# Altium PCB TAUV-Interfacer (DESKTOP-2772EO1's conflicted copy 2019-07-07).PcbDoc (part 2 of 3) (continued)
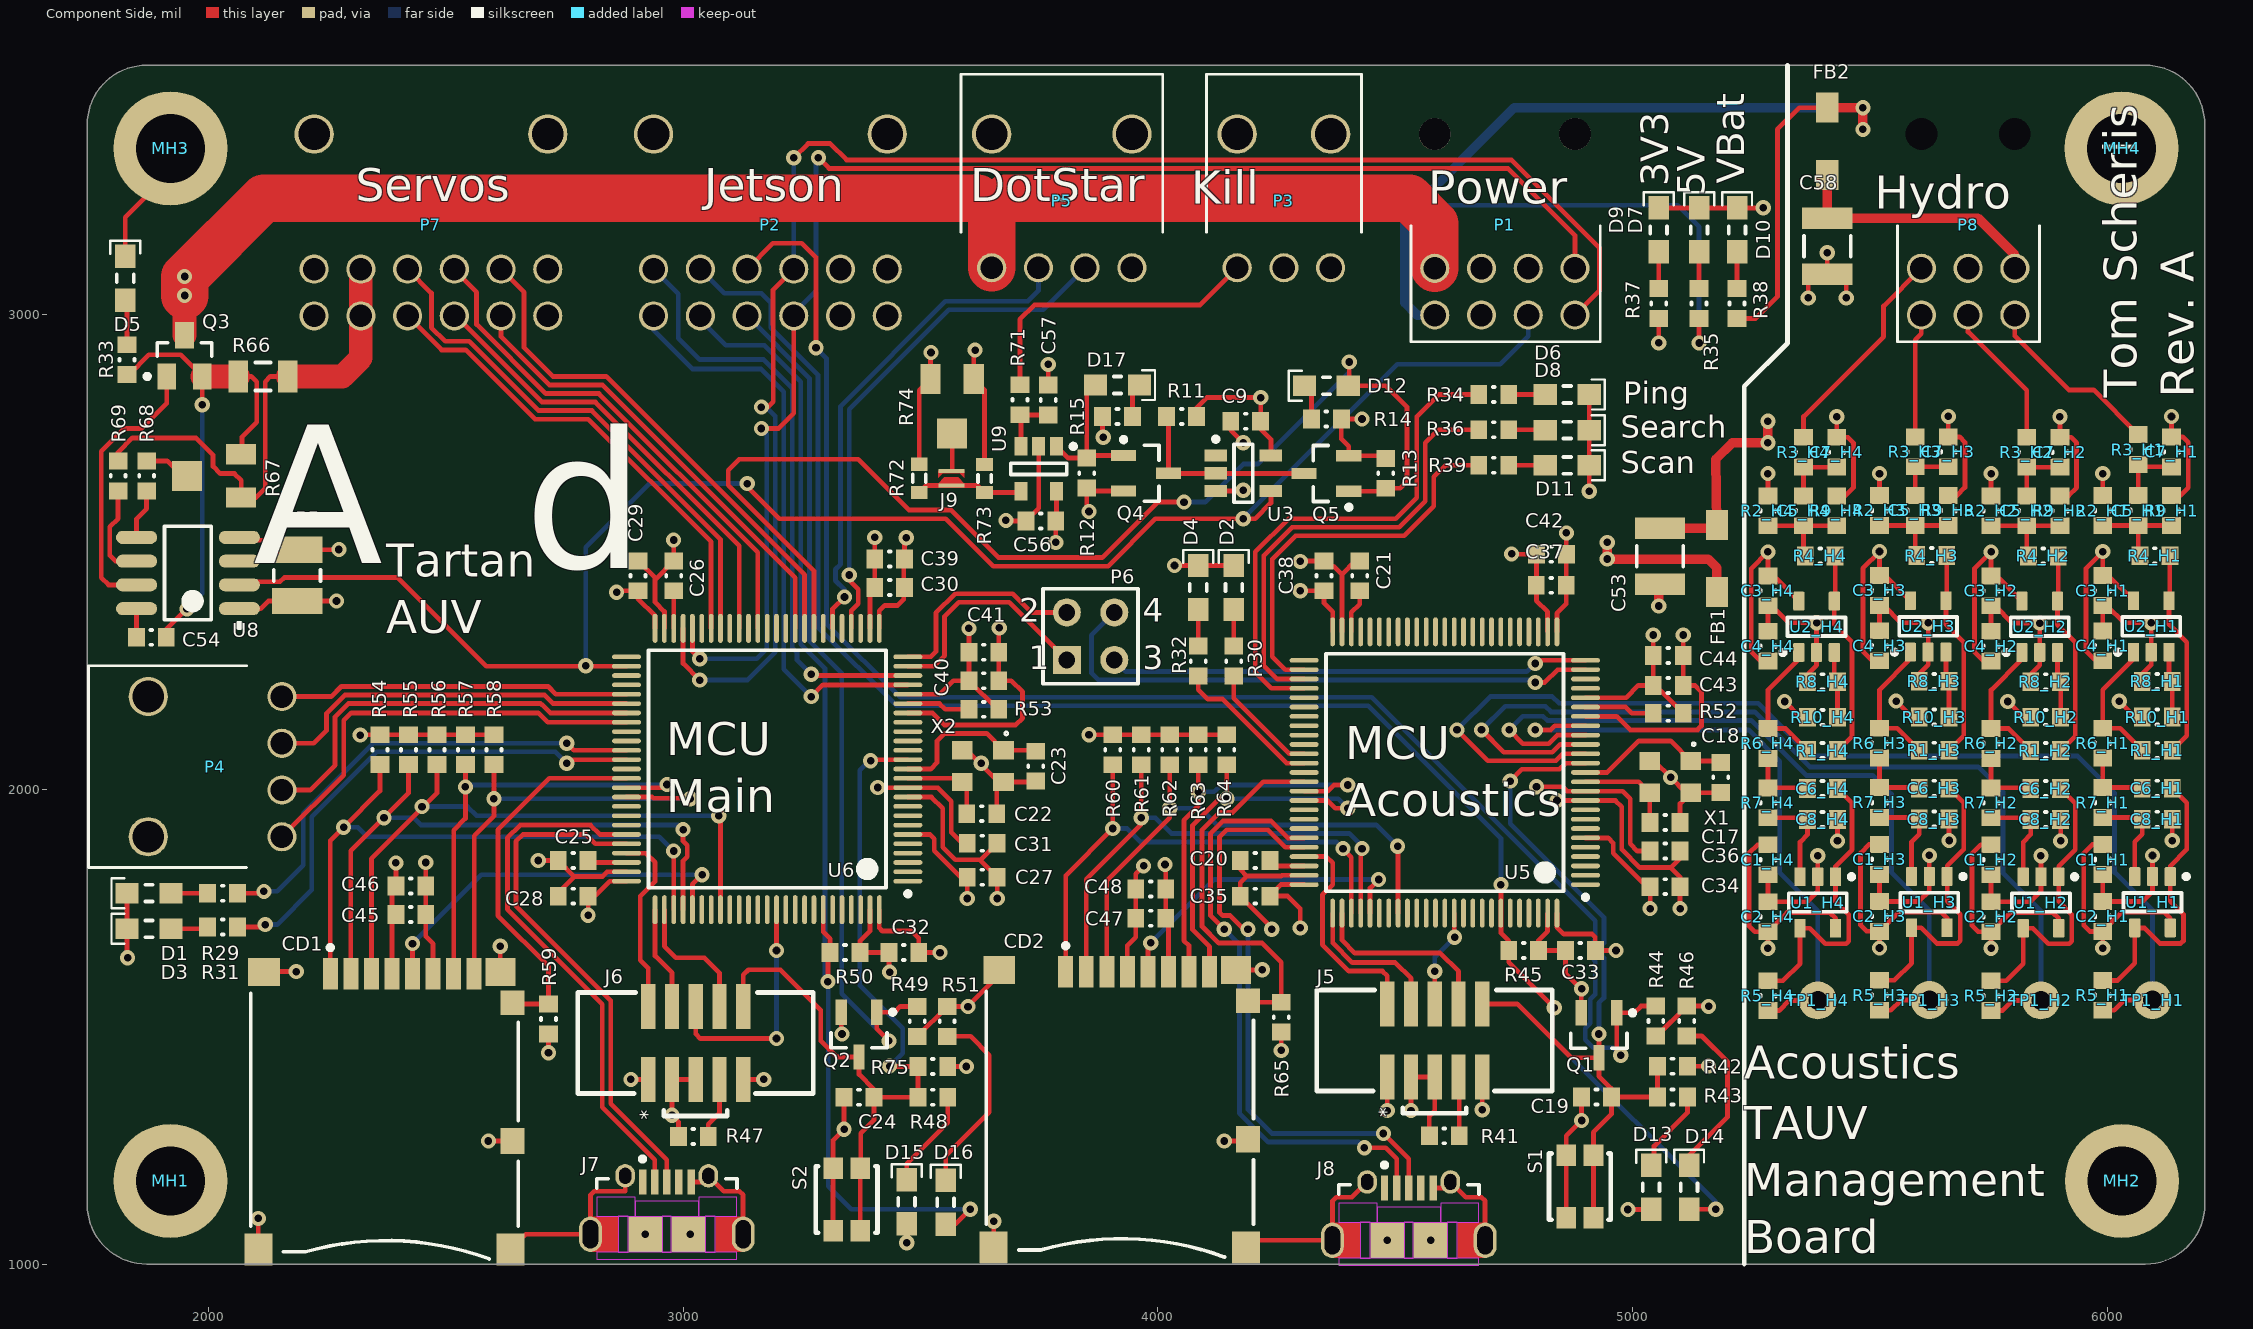
[diagram p0: Component Side view]
## Nets (pads, with @x,y where several pads share a name; then routed paths per layer and width w, separated by ;. In a path a pad name is that pad's centre, name@x,y a point inside that pad or via, vN(x,y) a via of type N, cw(c..) or ccw(c..) an arc to the next point about the centre after c; other vN are vias at no path point) (continued)
  Solder Side w10: v1(3196.81,1475) v1(3196.81,1660.49)
MCU1_TMS: J6.2 U6.72 | length 391.4
  Component Side w10: U6.72@2880.87,1865.53 2921.22,1865.53 2940.91,1845.85 2940.91,1805.91 2910,1775 2910,1640 2926.65,1623.35 J6.2@2926.65,1542.38
MCU1_UART4_RX: P2.7 U6.23 | length 1274.4
  Component Side w10: v1(3270,2242.27) 3272.73,2239.55 U6.23@3473.39,2239.55
  Solder Side w10: P2.7@2937.87,3095.55 2990,3043.43 2990,2950 3035,2905 3170,2905 3230,2845 3230,2297.83 3240,2287.83 3240,2272.27 v1(3270,2242.27)
MCU1_UART4_TX: P2.1 U6.22 | length 1237.7
  Component Side w10: v1(3270,2195.28) 3294.59,2219.86 U6.22@3473.39,2219.86
  Solder Side w10: P2.1@2937.87,2997.13 2937.87,2967.13 3020,2885 3164.54,2885 3212,2837.54 3212,2253.28 v1(3270,2195.28)
MCU1_USART2_RX: P6.2 U6.25 | length 436.4
  Component Side w10: U6.25@3473.39,2278.92 3522.05,2278.92 3532.65,2289.52 3532.65,2371.81 3572.94,2412.09 3694.11,2412.09 3733.68,2372.52 P6.2@3790,2372.52
MCU1_USART2_TX: P6.1 U6.24 | length 489.4
  Component Side w10: U6.24@3473.39,2259.23 3528.13,2259.23 3550.65,2281.75 3550.65,2364.35 3580.39,2394.09 3686.65,2394.09 P6.1@3808.23,2272.52
MCU1_USB_DM: J7.2 U6.70 | length 1123.3
  Component Side w10: U6.70@2880.87,1904.9 2824.47,1904.9 2804.78,1924.59 2656.97,1924.59 2630,1897.62 2630,1747.07 2829.6,1547.47 2829.6,1330.4 2940.14,1219.86 J7.2@2940.14,1173.01
MCU1_USB_DP: J7.3 U6.71 | length 1096
  Component Side w10: U6.71@2880.87,1885.22 2814.78,1885.22 2795,1905 2662.84,1905 2648,1890.16 2648,1754.52 2847.6,1554.92 2847.6,1337.86 2965.73,1219.73 J7.3@2965.73,1173.01
MCU2_BOOT: D14.2 P2.8 R45.1 U5.94 | length 3553.2
  Component Side w10: v1(4722.48,1799.19) U5.94@4722.48,1739.15 4722.48,1697.52 4738.94,1681.06 R45.1@4738.94,1660.49 4738.94,1636.06 v1(4835,1540) ; D14.2@5118.94,1115.59 v1(5175,1115.59)
  Solder Side w10: P2.8@3036.3,3095.55 3086.85,3045 3165,3045 3185,3025 3185,2972.31 3284,2873.31 3284,2341.66 3449.67,2175.99 4443.1,2175.99 4722.48,1896.61 v1(4722.48,1799.19) ; v1(4835,1540) 4830.72,1535.72 4830.72,1475 5175,1130.72 v1(5175,1115.59)
MCU2_IND1: R30.1 U5.61 | length 243.4
  Component Side w10: R30.1@4160,2238.5 4160,2191.64 4276.86,2074.78 U5.61@4308.11,2074.78
MCU2_IND2: R32.1 U5.62 | length 315.8
  Component Side w10: R32.1@4085,2238.5 4085,2210 4105,2190 4136.19,2190 4271.09,2055.1 U5.62@4308.11,2055.1
MCU2_NRST: C19.2 J5.10 Q1.3 R42.1 R43.2 S1.1 U5.14 | length 1664.4
  Component Side w10: J5.10@4683.23,1547.8 4757.2,1547.8 4870.39,1434.61 Q1.3@4928.94,1434.61 ; v1(4742.17,2017.26) 4766.9,2042 4845.83,2042 4858.93,2055.1 U5.14@4900.63,2055.1 ; S1.1@4917.48,1097.17 S1.1@4917.48,1229.05 4917.48,1277.48 4955.43,1315.43 C19.2@4955.43,1351.85 ; v1(4928.94,1484.63) Q1.3@4928.94,1434.61 ; R42.1@5052.44,1416.85 R43.2@5052.44,1351.85 C19.2@4955.43,1351.85 ; Q1.3@4928.94,1434.61 4928.94,1396.06 4955.43,1369.57 C19.2@4955.43,1351.85
  Solder Side w10: v1(4742.17,2017.26) 4742.17,1927.83 4939.44,1730.56 4939.44,1675.95 4936,1672.5 4936,1648.48 4939.44,1645.04 4939.44,1560.53 4928.94,1550.03 v1(4928.94,1484.63)
MCU2_OSC_IN: C17.2 U5.12 X1.3 | length 207.9
  Component Side w10: U5.12@4900.63,2015.73 5012.91,2015.73 X1.3@5036.02,1992.62 5036.02,1930.86 C17.2@5036.89,1930
MCU2_OSC_OUT: C18.2 U5.13 X1.1 | length 331.3
  Component Side w10: U5.13@4900.63,2035.41 4946.65,2035.41 5012.99,2101.75 5080.43,2101.75 X1.1@5122.64,2059.55 5182.62,2059.55 C18.2@5185.67,2056.5
MCU2_SD_CK: CD2.5 U5.80 | length 676.8
  Component Side w10: CD2.5@3979.06,1615.75 3979.06,1670.45 v1(3985,1676.39) ; U5.80@4446.89,1739.15 4446.89,1791.89 v1(4465,1810)
  Solder Side w10: v1(3985,1676.39) 4118.61,1810 v1(4465,1810)
MCU2_SD_CMD: CD2.3 R62.1 U5.83 | length 1145.2
  Component Side w10: CD2.3@3892.44,1615.75 3892.44,1807.44 4025,1940 v1(4025,1960) R62.1@4025,2051.69 ; v1(4505,1880) 4505.94,1879.06 U5.83@4505.94,1739.15
  Solder Side w10: v1(4025,1960) 4089.27,1960 4124.27,1925 4460,1925 v1(4505,1880)
MCU2_SD_D0: CD2.7 R63.1 U5.65 | length 870.8
  Component Side w10: CD2.7@4065.67,1615.75 4065.67,1670.73 4055,1681.39 4055,1935 4085,1965 v1(4085,1995) R63.1@4085,2051.69 ; U5.65@4308.11,1996.04 4357.62,1996.04 4370.57,2009 v1(4400,2009)
  Solder Side w10: v1(4085,1995) 4118.99,1995 4132.99,2009 v1(4400,2009)
MCU2_SD_D1: CD2.8 R64.1 U5.66 | length 851.8
  Component Side w10: CD2.8@4108.98,1615.75 4108.98,1668.36 4073,1704.34 4073,1923.75 4129.25,1980 v1(4145,1980) R64.1@4145,2051.69 ; U5.66@4308.11,1976.36 4357.58,1976.36 4373.94,1960 v1(4400,1960)
  Solder Side w10: v1(4145,1980) 4380,1980 v1(4400,1960)
MCU2_SD_D2: CD2.1 R60.1 U5.78 | length 1122.7
  Component Side w10: CD2.1@3805.83,1615.75 3805.83,1818.29 v1(3905,1917.46) R60.1@3905,2051.69 ; v1(4390,1875) 4390,1873.99 4407.52,1856.47 U5.78@4407.52,1739.15
  Solder Side w10: v1(3905,1917.46) 3934.81,1917.46 3963.28,1889 4376,1889 v1(4390,1875)
MCU2_SD_D3: CD2.2 R61.1 U5.79 | length 1115.8
  Component Side w10: CD2.2@3849.13,1615.75 3849.13,1810.63 3965,1926.5 v1(3965,1940) R61.1@3965,2051.69 ; U5.79@4427.2,1739.15 4427.2,1872.2 v1(4430,1875)
  Solder Side w10: v1(3965,1940) 3995,1940 4028,1907 4403,1907 4430,1880 v1(4430,1875)
MCU2_SD_DETECT: CD2.9 R65.1 U5.64 | length 814.4
  Component Side w10: CD2.9@4189.88,1554.33 4192.72,1551.5 R65.1@4260,1551.5 4260,1635.49 4219.49,1676 4127.99,1676 4093,1710.99 4093,1914.95 4129.05,1951 4157.01,1951 4221.74,2015.73 U5.64@4308.11,2015.73
MCU2_TCK: J5.4 U5.76 | length 312.7
  Component Side w10: U5.76@4368.15,1739.15 4368.15,1676.39 4409.54,1635 4500,1635 4533.23,1601.77 J5.4@4533.23,1547.8
MCU2_TDI: J5.8 U5.77 | length 398.4
  Component Side w10: U5.77@4387.83,1739.15 4387.83,1682.17 4415,1655 4595,1655 4633.23,1616.77 J5.8@4633.23,1547.8
MCU2_TDO: J5.6 U5.89 | length 209.1
  Component Side w10: J5.6@4583.23,1547.8 v1(4583.23,1616.77) ; U5.89@4624.06,1739.15 4624.06,1689.45 v1(4625,1688.5)
  Solder Side w10: v1(4583.23,1616.77) 4583.23,1646.73 v1(4625,1688.5)
MCU2_TMS: J5.2 U5.72 | length 469.7
  Component Side w10: U5.72@4308.11,1858.25 4354.9,1858.25 4368.15,1845 4368.15,1799.39 4346.75,1777.99 4346.75,1672.34 4402.09,1617 4473,1617 4483.23,1606.77 J5.2@4483.23,1547.8
MCU2_USART2_RX: P6.3 U5.25 | length 1012.4
  Component Side w10: v1(4795,2265) 4801.63,2271.63 U5.25@4900.63,2271.63
  Solder Side w10: P6.3@3908.23,2272.52 3932.76,2247.99 4776.98,2247.99 4793.99,2265 v1(4795,2265)
MCU2_USART2_TX: P6.4 U5.24 | length 1207.6
  Component Side w10: v1(4795,2225) 4815,2225 4841.95,2251.95 U5.24@4900.63,2251.95
  Solder Side w10: P6.4@3908.23,2372.52 3860,2324.29 3860,2245 3875.01,2229.99 4790.01,2229.99 v1(4795,2225)
MCU2_USB_DM: J8.2 U5.70 | length 1269.6
  Component Side w10: v1(4140,1705) 4111,1734 4111,1907.5 4136.5,1933 4238.5,1933 4273.88,1897.62 U5.70@4308.11,1897.62 ; v1(4435,1245) 4479.54,1245 4502.91,1221.63 J8.2@4502.91,1160.24
  Solder Side w10: v1(4140,1705) 4171.88,1673.12 4171.88,1317.66 4232.54,1257 4423,1257 v1(4435,1245)
MCU2_USB_DP: J8.3 U5.71 | length 1256.5
  Component Side w10: v1(4189.88,1705) 4181.01,1705 4152.01,1734 4136.46,1734 4130,1740.46 4130,1900 4145,1915 4231.04,1915 4268.11,1877.93 U5.71@4308.11,1877.93 ; v1(4475,1275) 4528.5,1221.5 J8.3@4528.5,1160.24
  Solder Side w10: v1(4189.88,1705) 4189.88,1460.12 4190,1460 4190,1325 4240,1275 v1(4475,1275)
NetC5_H1_1: C5_H1.1 C7_H1.2 R3_H1.2 | length 130.5
  Component Side w10: C5_H1.1@6065,2618.58 6065,2679.09 C7_H1.2@6135,2679.09
NetC5_H1_2: C5_H1.2 R2_H1.1 R4_H1.1 R9_H1.2 | length 210
  Component Side w10: R2_H1.1@5990,2555.59 R9_H1.2@6135,2555.59 ; C5_H1.2@6065,2555.59 6065,2495.59 R4_H1.1@6068.5,2492.09
NetC5_H2_1: C5_H2.1 C7_H2.2 R3_H2.2 | length 130.5
  Component Side w10: C5_H2.1@5830,2617.99 R3_H2.2@5830,2678.5 C7_H2.2@5900,2678.5
NetC5_H2_2: C5_H2.2 R2_H2.1 R4_H2.1 R9_H2.2 | length 210
  Component Side w10: R2_H2.1@5755,2555 R9_H2.2@5900,2555 ; C5_H2.2@5830,2555 5830,2495 R4_H2.1@5833.5,2491.5
NetC5_H3_1: C5_H3.1 C7_H3.2 R3_H3.2 | length 130.5
  Component Side w10: C5_H3.1@5595,2618.74 R3_H3.2@5595,2679.25 C7_H3.2@5665,2679.25
NetC5_H3_2: C5_H3.2 R2_H3.1 R4_H3.1 R9_H3.2 | length 210
  Component Side w10: R2_H3.1@5520,2555.75 R9_H3.2@5665,2555.75 ; C5_H3.2@5595,2555.75 5595,2495.75 R4_H3.1@5598.5,2492.24
NetC5_H4_1: C5_H4.1 C7_H4.2 R3_H4.2 | length 130.5
  Component Side w10: C5_H4.1@5360,2617.99 R3_H4.2@5360,2678.5 C7_H4.2@5430,2678.5
NetC5_H4_2: C5_H4.2 R2_H4.1 R4_H4.1 R9_H4.2 | length 210
  Component Side w10: R2_H4.1@5285,2555 R9_H4.2@5430,2555 ; C5_H4.2@5360,2555 5360,2495 R4_H4.1@5363.5,2491.5
NetC6_H1_1: C6_H1.1 R6_H1.2 R7_H1.1 | length 146.1
  Component Side w10: R6_H1.2@5990,2065.59 R7_H1.1@5990,2003.58 6072.01,2003.58 C6_H1.1@6073.5,2002.09
NetC6_H1_2: C6_H1.2 R5_H1.1 U1_H1.1 U1_H1.4 | length 635.2
  Component Side w10: R5_H1.1@5990,1597.46 6021.5,1597.46 6057.6,1633.56 U1_H1.4@6057.6,1707.95 6078.01,1707.95 6110.7,1675.27 6154.68,1675.27 6160,1680.59 6160,1736.83 6132.4,1764.43 U1_H1.1@6132.4,1816.22 6132.4,1838.37 6167.21,1873.18 6167.21,1971.37 C6_H1.2@6136.5,2002.09
NetC6_H2_1: C6_H2.1 R6_H2.2 R7_H2.1 | length 146.1
  Component Side w10: R6_H2.2@5755,2065 R7_H2.1@5755,2002.99 5837.01,2002.99 C6_H2.1@5838.5,2001.5
NetC6_H2_2: C6_H2.2 R5_H2.1 U1_H2.1 U1_H2.4 | length 635.2
  Component Side w10: R5_H2.1@5755,1596.87 5786.5,1596.87 5822.6,1632.97 U1_H2.4@5822.6,1707.36 5843.01,1707.36 5875.7,1674.68 5919.68,1674.68 5925,1680 5925,1736.24 5897.4,1763.84 U1_H2.1@5897.4,1815.63 5897.4,1837.78 5932.21,1872.59 5932.21,1970.78 C6_H2.2@5901.5,2001.5
NetC6_H3_1: C6_H3.1 R6_H3.2 R7_H3.1 | length 146.1
  Component Side w10: R6_H3.2@5520,2065.75 R7_H3.1@5520,2003.74 5602.01,2003.74 C6_H3.1@5603.5,2002.24
NetC6_H3_2: C6_H3.2 R5_H3.1 U1_H3.1 U1_H3.4 | length 635.2
  Component Side w10: R5_H3.1@5520,1597.62 5551.5,1597.62 5587.6,1633.72 U1_H3.4@5587.6,1708.11 5608.01,1708.11 5640.7,1675.43 5684.68,1675.43 5690,1680.75 5690,1736.99 5662.4,1764.59 U1_H3.1@5662.4,1816.38 5662.4,1838.52 5697.21,1873.33 5697.21,1971.53 C6_H3.2@5666.5,2002.24
NetC6_H4_1: C6_H4.1 R6_H4.2 R7_H4.1 | length 146.1
  Component Side w10: R6_H4.2@5285,2065 R7_H4.1@5285,2002.99 5367.01,2002.99 C6_H4.1@5368.5,2001.5
NetC6_H4_2: C6_H4.2 R5_H4.1 U1_H4.1 U1_H4.4 | length 635.2
  Component Side w10: R5_H4.1@5285,1596.87 5316.5,1596.87 5352.6,1632.97 U1_H4.4@5352.6,1707.36 5373.01,1707.36 5405.7,1674.68 5449.68,1674.68 5455,1680 5455,1736.24 5427.4,1763.84 U1_H4.1@5427.4,1815.63 5427.4,1837.78 5462.21,1872.59 5462.21,1970.78 C6_H4.2@5431.5,2001.5
NetC8_H1_2: C8_H1.2 R7_H1.2 U1_H1.3 | length 212.4
  Component Side w10: R7_H1.2@5990,1940.59 6070,1940.59 C8_H1.2@6073.5,1937.09 6073.5,1905.45 6057.6,1889.55 U1_H1.3@6057.6,1816.22
NetC8_H2_2: C8_H2.2 R7_H2.2 U1_H2.3 | length 212.4
  Component Side w10: R7_H2.2@5755,1940 5835,1940 C8_H2.2@5838.5,1936.5 5838.5,1904.86 5822.6,1888.96 U1_H2.3@5822.6,1815.63
NetC8_H3_2: C8_H3.2 R7_H3.2 U1_H3.3 | length 212.4
  Component Side w10: R7_H3.2@5520,1940.75 5600,1940.75 C8_H3.2@5603.5,1937.24 5603.5,1905.61 5587.6,1889.7 U1_H3.3@5587.6,1816.38
NetC8_H4_2: C8_H4.2 R7_H4.2 U1_H4.3 | length 212.4
  Component Side w10: R7_H4.2@5285,1940 5365,1940 C8_H4.2@5368.5,1936.5 5368.5,1904.86 5352.6,1888.96 U1_H4.3@5352.6,1815.63
NetC20_2: C20.2 U5.73 | length 76.4
  Component Side w10: C20.2@4236.5,1850 4247.93,1838.56 U5.73@4308.11,1838.56
NetC21_2: C21.2 U5.48 | length 93.6
  Component Side w10: U5.48@4407.52,2331.67 4407.52,2372.52 4425,2390 C21.2@4425,2417.99
NetC25_2: C25.2 U6.73 | length 82.6
  Component Side w10: C25.2@2800,1850 2804.15,1845.85 U6.73@2880.87,1845.85
NetC26_2: C26.2 U6.48 | length 79
  Component Side w10: U6.48@2980.28,2338.96 C26.2@2980.28,2417.99
NetC54_1: C54.1 U8.8 | length 60.6
  Component Side w10: C54.1@1848.5,2320 1848.8,2320.29 U8.8@1848.8,2380.49
NetC57_2: C57.2 R71.2 U9.3 | length 126.6
  Component Side w10: R71.2@3709.53,2788.98 R71.2@3710,2788.5 ; U9.3@3711.58,2722.24 3711.58,2786.93 R71.2@3710,2788.5 ; C57.2@3768.98,2788.5 R71.2@3710,2788.5
NetD1_2: D1.2 R29.2 | length 77.2
  Component Side w10: D1.2@1921.26,1781.24 R29.2@1998.5,1781.24
NetD2_2: D2.2 R30.2 | length 77.2
  Component Side w10: R30.2@4160,2301.5 D2.2@4160,2378.74
NetD3_2: D3.2 R31.2 | length 78.9
  Component Side w10: D3.2@1921.26,1706.12 1994.63,1706.12 R31.2@1998.5,1710
NetD4_2: D4.2 R32.2 | length 77.2
  Component Side w10: R32.2@4085,2301.5 D4.2@4085,2378.74
NetD5_2: D5.2 R33.1 | length 95.1
  Component Side w10: D5.2@1825,3030 1828.74,3026.26 R33.1@1828.74,2936.5
NetD6_2: D6.2 R34.2 | length 77.2
  Component Side w10: R34.2@4738.88,2831.5 D6.2@4816.13,2831.5
NetD7_2: D7.2 R35.1 | length 77.3
  Component Side w10: R35.1@5139.82,3054.8 5140,3054.98 D7.2@5140,3132.04
NetD8_2: D8.2 R36.2 | length 77.6
  Component Side w10: R36.2@4738.88,2757.34 4815.28,2757.34 D8.2@4816.13,2756.5
NetD9_2: D9.2 R37.1 | length 77.2
  Component Side w10: R37.1@5054.82,3054.8 D9.2@5054.82,3132.04
NetD10_2: D10.2 R38.1 | length 77.2
  Component Side w10: R38.1@5220,3054.8 D10.2@5220,3132.04
NetD11_2: D11.2 R39.2 | length 77.2
  Component Side w10: R39.2@4738.88,2682.36 D11.2@4816.13,2682.36
NetD12_1: D12.1 R14.1 | length 76.1
  Component Side w10: D12.1@4308.74,2850 4323.5,2835.24 R14.1@4323.5,2780
NetD13_1: D13.1 R43.1 | length 175.4
  Component Side w10: D13.1@5038.94,1208.11 5045,1214.17 5045,1248.66 5115.43,1319.09 R43.1@5115.43,1351.85
NetD14_1: D14.1 R46.1 | length 360.1
  Component Side w10: R46.1@5113.94,1480.35 5145.77,1480.35 5200,1426.12 5200,1310 5118.94,1228.94 D14.1@5118.94,1208.11
NetD15_1: D15.1 R48.1 | length 209.6
  Component Side w10: D15.1@3470.98,1177.38 3470.98,1210.98 3557.56,1297.56 R48.1@3557.56,1351.12
NetD16_1: D16.1 R51.1 | length 407.2
  Component Side w10: D16.1@3553.01,1176.26 3553.01,1227.64 3645,1319.63 3645,1440 3605.37,1479.63 R51.1@3556.06,1479.63
NetD17_1: D17.1 R15.1 | length 72.6
  Component Side w10: R15.1@3946.5,2785 3946.5,2836.73 D17.1@3961.26,2851.5
NetD17_2: D17.2 Q4.1 R12.1 U9.1 | length 315.6
  Component Side w10: U9.1@3786.38,2722.24 3811.06,2697.56 R12.1@3850,2697.56 ; D17.2@3868.74,2851.5 3850,2832.76 R12.1@3850,2697.56 ; Q4.1@3927.76,2702.99 3855.43,2702.99 R12.1@3850,2697.56
NetJ5_7: J5.7 R41.2 | length 124.9
  Component Side w10: J5.7@4633.23,1394.25 4634.8,1392.68 R41.2@4634.8,1270
NetJ6_7: J6.7 R47.2 | length 129.7
  Component Side w10: R47.2@3053.15,1268.84 3053.15,1294.13 3076.65,1317.64 J6.7@3076.65,1388.84
NetJ9_1: J9.1 R74.2 | length 79.9
  Component Side w10: J9.1@3565,2670.51 3566.65,2672.17 R74.2@3566.65,2749.68
NetJ9_2: J9.2 R72.2 R73.1 U9.4 | length 227.5
  Component Side w10: R72.2@3497.44,2625.47 3511.97,2640 J9.2@3565,2640 3620,2640 R73.1@3635,2625 3708.82,2625 U9.4@3711.58,2627.76
NetP2_3: P2.3 Q2.1 R49.1 | length 1812.4
  Component Side w10: v1(3433.5,1470) 3407.95,1495.55 Q2.1@3407.95,1530.61 3445.61,1530.61 3457.62,1542.62 R49.1@3493.35,1542.62
  Solder Side w10: P2.3@3134.72,2997.13 3266,2865.85 3266,2312.74 3334,2244.74 3334,1569.5 v1(3433.5,1470)
NetP2_9: P2.9 Q1.1 R44.1 | length 3371
  Component Side w10: P2.9@3134.72,3095.55 3189.17,3150 3250,3150 3280,3120 v1(3280,2930) ; v1(4975,1440) 4966.34,1448.66 Q1.1@4966.34,1529.09 5003.48,1529.09 5017.74,1543.35 R44.1@5048.94,1543.35
  Solder Side w10: v1(3280,2930) 3302,2908 3302,2349.12 3457.13,2193.99 4450.55,2193.99 4921.44,1723.1 4921.44,1683.4 4918,1679.96 4918,1641.02 4921.44,1637.58 4921.44,1567.99 4910.94,1557.48 4910.94,1507.64 4899.94,1496.64 4899.94,1472.61 4916.92,1455.63 4959.37,1455.63 v1(4975,1440)
NetP3_3: P3.3 R71.1 | length 640.3
  Component Side w10: R71.1@3709.53,2851.97 3709.53,2989.53 3740,3020 4088.58,3020 P3.3@4167.09,3098.5
NetQ4_3: Q4.3 Q5.3 R11.1 U3.2 | length 406.7
  Component Side w10: R11.1@4018.5,2785 4022.24,2781.26 Q4.3@4022.24,2665.59 4022.83,2665 Q5.3@4307.76,2665
NetR1_H1_1: R1_H1.1 R4_H1.2 U2_H1.4 | length 438.9
  Component Side w10: R4_H1.2@6131.5,2492.09 6131.5,2398.78 U2_H1.4@6129.8,2397.09 6129.8,2347.28 6167.21,2309.87 6167.21,2112.8 R1_H1.1@6136.5,2082.09
NetR1_H1_2: R1_H1.2 R6_H1.1 U2_H1.1 | length 289.9
  Component Side w10: U2_H1.1@6055,2288.82 6055,2274.55 5990,2209.55 R6_H1.1@5990,2128.58 6027.01,2128.58 R1_H1.2@6073.5,2082.09
NetR1_H2_1: R1_H2.1 R4_H2.2 U2_H2.4 | length 438.9
  Component Side w10: R4_H2.2@5896.5,2491.5 5896.5,2398.19 U2_H2.4@5894.8,2396.5 5894.8,2346.69 5932.21,2309.28 5932.21,2112.21 R1_H2.1@5901.5,2081.5
NetR1_H2_2: R1_H2.2 R6_H2.1 U2_H2.1 | length 289.9
  Component Side w10: U2_H2.1@5820,2288.23 5820,2273.96 5755,2208.96 R6_H2.1@5755,2127.99 5792.01,2127.99 R1_H2.2@5838.5,2081.5
NetR1_H3_1: R1_H3.1 R4_H3.2 U2_H3.4 | length 438.9
  Component Side w10: R4_H3.2@5661.5,2492.24 5661.5,2398.94 U2_H3.4@5659.8,2397.24 5659.8,2347.44 5697.21,2310.03 5697.21,2112.96 R1_H3.1@5666.5,2082.24
NetR1_H3_2: R1_H3.2 R6_H3.1 U2_H3.1 | length 289.9
  Component Side w10: U2_H3.1@5585,2288.98 5585,2274.7 5520,2209.7 R6_H3.1@5520,2128.74 5557.01,2128.74 R1_H3.2@5603.5,2082.24
NetR1_H4_1: R1_H4.1 R4_H4.2 U2_H4.4 | length 438.9
  Component Side w10: R4_H4.2@5426.5,2491.5 5426.5,2398.19 U2_H4.4@5424.8,2396.5 5424.8,2346.69 5462.21,2309.28 5462.21,2112.21 R1_H4.1@5431.5,2081.5
NetR1_H4_2: R1_H4.2 R6_H4.1 U2_H4.1 | length 289.9
  Component Side w10: U2_H4.1@5350,2288.23 5350,2273.96 5285,2208.96 R6_H4.1@5285,2127.99 5322.01,2127.99 R1_H4.2@5368.5,2081.5
NetR8_H1_2: R8_H1.2 R10_H1.2 U2_H1.3 | length 139.5
  Component Side w10: U2_H1.3@6129.8,2288.82 6129.8,2233.78 R8_H1.2@6136.5,2227.09 R10_H1.2@6136.5,2152.09
NetR8_H2_2: R8_H2.2 R10_H2.2 U2_H2.3 | length 139.5
  Component Side w10: U2_H2.3@5894.8,2288.23 5894.8,2233.19 R8_H2.2@5901.5,2226.5 R10_H2.2@5901.5,2151.5
NetR8_H3_2: R8_H3.2 R10_H3.2 U2_H3.3 | length 139.5
  Component Side w10: U2_H3.3@5659.8,2288.98 5659.8,2233.94 R8_H3.2@5666.5,2227.24 R10_H3.2@5666.5,2152.24
NetR8_H4_2: R8_H4.2 R10_H4.2 U2_H4.3 | length 139.5
  Component Side w10: U2_H4.3@5424.8,2288.23 5424.8,2233.19 R8_H4.2@5431.5,2226.5 R10_H4.2@5431.5,2151.5
NetR52_2: R52.2 U5.20 | length 148.3
  Component Side w10: U5.20@4900.63,2173.21 4985,2173.21 4998.21,2160 R52.2@5043.5,2160
NetR53_2: R53.2 U6.20 | length 133.7
  Component Side w10: U6.20@3473.39,2180.49 3540,2180.49 3552.16,2168.33 R53.2@3602.01,2168.33
NetR67_2: R67.2 R68.2 | length 88
  Component Side w10: R68.2@1870,2691.5 1913.5,2691.5 R67.2@1945,2660
NetR68_1: R68.1 U8.5 | length 106.8
  Component Side w10: U8.5@1848.8,2530.49 1848.8,2570 1870,2591.2 R68.1@1870,2628.5
NetR69_1: R69.1 U8.6 | length 204.5
  Component Side w10: R69.1@1810,2628.5 1810,2570 1792.49,2552.49 1792.49,2492.51 1804.51,2480.49 U8.6@1848.8,2480.49
RSENSE-: P7.2 P7.8 R66.1 R67.3 R69.2 | length 1069.7
  Component Side w10: R69.2@1810,2691.5 1810,2710 1840,2740 1973.9,2740 2010,2703.9 2010,2680 2025,2665 2055,2665 2069.17,2650.83 R67.3@2069.17,2614.53 2100.37,2614.53 2120,2634.15 2120,2858.64 2130.94,2869.59 R66.1@2167.17,2869.59
  Component Side w50: R66.1@2167.17,2869.59 2282.17,2869.59 2321.3,2908.72 P7.2@2321.3,2997.13 P7.8@2321.3,3095.55
SERVOS_GATE: Q3.1 U8.7 | length 583.4
  Component Side w10: U8.7@1848.8,2430.49 1790,2430.49 1774.49,2446 1774.49,2711.77 1822.72,2760 1860,2760 1912.6,2812.6 Q3.1@1912.6,2869.59
VBAT_THRUSTERS: FB2.1 P1.1 R38.2 | length 2061.2
  Component Side w10: R38.2@5220,2991.81 5259.13,2991.81 5305,3037.68 5305,3390 5350.69,3435.69 FB2.1@5410,3435.69
  Component Side w20: FB2.1@5410,3435.69 v1(5485,3435.69) v1(5485,3390)
  Solder Side w20: P1.1@4583.23,2998.9 4546.1,2998.9 4520,3025 4520,3205 4750.69,3435.69 v1(5485,3435.69) v1(5485,3390)
VCC_3V3: C9.2 C27.2 C28.2 C29.2 C30.2 C31.2 C32.2 C33.2 C34.2 C35.2 C36.2 C37.2 C38.2 C39.2 C40.2 C41.2 C42.2 C45.2 C46.2 C47.2 C48.2 C56.1 CD1.4 CD2.4 D13.2 D15.2 FB1.1 J5.1 J6.1 P1.2 P3.1 R11.2 R37.2 R42.2 R53.1 R54.2 R55.2 R56.2 R57.2 R58.2 R59.2 R60.2 R61.2 R62.2 R63.2 R64.2 R65.2 R72.1 R74.1 R75.2 U3.5 U5.6 U5.11 U5.27 U5.50 U5.75 U5.100 U6.6 U6.11 U6.21 U6.27 U6.50 U6.75 U6.100 U9.5 | length 5275
  Component Side w10: v1(2320,2114.15) 2320.71,2114.86 R54.2@2361.58,2114.86 R55.2@2421.58,2114.86 R56.2@2481.58,2114.86 R57.2@2541.58,2114.86 R58.2@2601.58,2114.86 ; CD1.4@2386.81,1611.87 2386.81,1787.85 C46.2@2395.08,1796.12 2395.08,1844.92 v1(2395,1845) ; v1(2716.58,1445) R59.2@2716.58,1484.63 ; v1(2800,1734.63) C28.2@2800,1775 2814.24,1775 2845.71,1806.48 U6.75@2880.87,1806.48 ; v1(2860,2415) 2862.99,2417.99 C29.2@2905,2417.99 2905,2401.65 2940.91,2365.75 U6.50@2940.91,2338.96 ; v1(2890,1388.84) J6.1@2926.65,1388.84 ; U6.27@3393.66,2338.96 3393.66,2415.16 C30.2@3403.5,2425 C39.2@3403.5,2485 v1(3403.5,2530.49) ; v1(3410,2003.74) 3410.41,2003.33 U6.11@3473.39,2003.33 3536.67,2003.33 3565,1975 3565,1909 3587.79,1886.21 C31.2@3598.5,1886.21 ; U6.100@3413.35,1746.44 3413.35,1707.99 3420,1701.34 3481.73,1701.34 3496.5,1686.58 C32.2@3496.5,1656.12 v1(3541.04,1656.12) ; v1(3470.98,1045) D15.2@3470.98,1084.86 ; U6.6@3473.39,1904.9 3520,1904.9 3529,1895.9 3529,1870.36 3584.81,1814.55 C27.2@3598.5,1814.55 v1(3598.5,1770) ; U6.21@3473.39,2200.18 3540.18,2200.18 3568.82,2228.82 C40.2@3602.01,2228.82 ; R72.1@3497.44,2684.53 3497.44,2840.11 R74.1@3521.18,2863.85 3521.18,2919.13 v1(3522.05,2920) ; R75.2@3557.56,1416.12 v1(3596.65,1416.12) ; v1(3602.01,2338.94) C41.2@3602.01,2288.82 C40.2@3602.01,2228.82 ; R53.1@3665,2168.33 3662.5,2168.33 C40.2@3602.01,2228.82 ; v1(3785,2520) C56.1@3785,2565 3786.38,2566.38 U9.5@3786.38,2627.76 ; v1(3855,2115) 3855.31,2114.69 R60.2@3905,2114.69 R61.2@3965,2114.69 R62.2@4025,2114.69 R63.2@4085,2114.69 R64.2@4145,2114.69 ; CD2.4@3935.75,1615.75 3935.75,1670.75 3953.5,1688.5 C47.2@3953.5,1728.5 C48.2@3953.5,1790 3953.5,1822.07 v1(3970,1838.56) ; R11.2@4081.5,2785 4081.5,2803.5 4103,2825 v1(4216.5,2825) C9.2@4216.5,2775 4216.5,2758.5 4238.07,2736.93 U3.5@4238.07,2702.99 ; C35.2@4236.5,1775 4273.74,1775 4300,1748.74 v1(4300,1707.99) ; C35.2@4236.5,1776.75 4258.94,1799.19 U5.75@4308.11,1799.19 ; v1(4260,1450) R65.2@4260,1488.5 ; v1(4300,2417.99) C38.2@4350,2417.99 4350,2392.24 4368.15,2374.09 U5.50@4368.15,2331.67 ; v1(4483.23,1323.23) J5.1@4483.23,1394.25 ; v1(4745,2495.75) 4745.75,2495 C42.2@4797.4,2495 4797.4,2397.6 4820.91,2374.09 U5.27@4820.91,2331.67 ; v1(4797.4,2005.36) 4852.6,2005.36 4861.92,1996.04 U5.11@4900.63,1996.04 4978.96,1996.04 4995,1980 4995,1885.22 5010.22,1870 C36.2@5036.89,1870 ; U5.100@4840.59,1739.15 4840.59,1709.41 4855,1695 4915,1695 4921.5,1688.5 C33.2@4921.5,1670.75 ; U5.6@4900.63,1897.62 4948.21,1897.62 4959,1886.83 4959,1865.75 5029.75,1795 C34.2@5036.89,1795 v1(5036.89,1748.74) ; C33.2@4921.5,1660.49 v1(4965,1660.49) ; v1(4990,1115) 5038.35,1115 D13.2@5038.94,1115.59 ; R37.2@5054.82,2991.81 5054.82,2940.35 v1(5055,2940.18) ; R42.2@5115.43,1416.85 v1(5160,1416.85)
  Component Side w20: v1(4946.65,2520) v1(4946.65,2485) 5159.27,2485 5177.62,2466.65 FB1.1@5177.62,2415.12
VCC_5V: C55.2 P1.5 P5.4 Q3.3 R35.2 U8.1 | length 4283.1
  Component Side w10: U8.1@2065.33,2380.49 2110.49,2380.49 2126.36,2396.36 C55.2@2187.07,2396.36 2269.86,2396.36 v1(2270,2396.5) ; R35.2@5139.82,2991.81 5139.82,2940.18 v1(5140,2940)
  Component Side w50: Q3.3@1950,2956.2 v1(1950,3040)
  Component Side w100: v1(1950,3040) v1(1950,3080) 1951.84,3080 2116.5,3244.66 3620.34,3244.66 3650,3215 ; P5.4@3650,3098.5 3650,3215 ; P1.5@4583.23,3097.32 4583.23,3191.46 4530.02,3244.66 3679.66,3244.66 3650,3215
  Solder Side w10: P1.5@4583.23,3097.32 4583.23,3203.23 4610,3230 5095,3230 5140,3185 v1(5140,2940)
VCC_HYDRO: C58.1 FB2.2 P8.6 | length 546
  Component Side w20: FB2.2@5410,3293.96 C58.1@5410,3202.95 5727.05,3202.95 5805,3125 P8.6@5805,3097.32
VCC_SERVOS: C54.2 Q3.2 R33.2 R66.2 R67.1 | length 1061.4
  Component Side w10: R33.2@1828.74,2873.5 1833.5,2873.5 1875,2915 1941.99,2915 Q3.2@1987.4,2869.59 v1(1987.4,2810) ; C54.2@1911.5,2320 1911.5,2336.99 v1@1954.75,2380.25 ; R66.2@2062.83,2869.59 2090.41,2869.59 2102,2858 2102,2773.14 2071.1,2742.24 2071.1,2707.4 R67.1@2069.17,2705.47
  Component Side w50: Q3.2@1987.4,2869.59 R66.2@2062.83,2869.59
  Solder Side w10: v1(1955,2380) 1987.4,2412.4 v1(1987.4,2810)
pads on no net: J7.1 J7.4 J8.1 J8.4 P1. P2. P3. P4. P5. P7. P8. U3.1 U5.1 U5.2 U5.3 U5.4 U5.5 U5.7 U5.8 U5.9 U5.22 U5.23 U5.28 U5.29 U5.30 U5.31 U5.32 U5.33 U5.34 U5.35 U5.36 U5.37 U5.38 U5.39 U5.40 U5.41 U5.42 U5.43 U5.44 U5.45 U5.46 U5.47 U5.51 U5.55 U5.56 U5.57 U5.58 U5.59 U5.60 U5.63 U5.67 U5.68 U5.69 U5.81 U5.82 U5.84 U5.85 U5.86 U5.87 U5.88 U5.90 U5.91 U5.92 U5.93 U5.95 U5.96 U5.97 U5.98 U6.1 U6.2 U6.3 U6.4 U6.5 U6.7 U6.8 U6.9 U6.15 U6.16 U6.17 U6.18 U6.28 U6.30 U6.32 U6.36 U6.37 U6.38 U6.40 U6.42 U6.45 U6.51 U6.53 U6.54 U6.59 U6.60 U6.63 U6.67 U6.68 U6.69 U6.81 U6.82 U6.84 U6.85 U6.86 U6.87 U6.88 U6.90 U6.91 U6.92 U6.93 U6.95 U6.96 U6.97 U6.98 U8.3

## Polygon pours and split planes (outlines as drawn)
GND on Ground Plane (split plane): 1870,3504.9 5317.89,3504.9 5319.9,3502.89 5319.9,2942.11 5281.4,2903.6 5221.4,2843.6 5220.29,2841.95 5219.9,2840 5219.9,2200 5220.29,2198.05 5221.4,2196.4 5223.05,2195.29 5225,2194.9 5226.95,2195.29 5228.6,2196.4 5229.71,2198.05 5230.1,2200 5230.1,2837.89 5288.6,2896.4 5328.6,2936.4 5329.71,2938.05 5330.1,2940 5330.1,3504.9 6079.99,3504.9 6080,3504.9 6080.68,3504.97 6089.15,3504.6 6098.23,3503.4 6107.18,3501.42 6115.91,3498.67 6124.38,3495.16 6132.5,3490.93 6140.23,3486.01 6147.49,3480.43 6154.25,3474.25 6160.43,3467.49 6166.01,3460.23 6170.93,3452.5 6175.16,3444.37 6178.67,3435.91 6181.42,3427.18 6183.4,3418.23 6184.6,3409.15 6184.97,3400.68 6184.9,3400 6184.9,1125 6184.97,1124.32 6184.6,1115.85 6183.4,1106.77 6181.42,1097.82 6178.67,1089.09 6175.16,1080.63 6170.93,1072.5 6166.01,1064.77 6160.43,1057.51 6154.25,1050.75 6147.49,1044.57 6140.23,1038.99 6132.5,1034.07 6124.37,1029.84 6115.91,1026.33 6107.18,1023.58 6098.23,1021.6 6089.15,1020.4 6080.68,1020.03 6080,1020.1 5230.1,1020.1 5230.1,2110 5229.71,2111.95 5228.6,2113.6 5226.95,2114.71 5225,2115.1 4965,2115.1 4963.05,2114.71 4961.4,2113.6 4960.29,2111.95 4959.9,2110 4960.29,2108.05 4961.4,2106.4 4963.05,2105.29 4965,2104.9 5219.9,2104.9 5219.9,1020.1 1870,1020.1 1869.32,1020.03 1860.85,1020.4 1851.77,1021.6 1842.82,1023.58 1834.09,1026.33 1825.63,1029.84 1817.5,1034.07 1809.77,1038.99 1802.51,1044.57 1795.75,1050.75 1789.57,1057.51 1783.99,1064.77 1779.07,1072.5 1774.84,1080.63 1771.33,1089.09 1768.58,1097.82 1766.6,1106.77 1765.4,1115.85 1765.03,1124.32 1765.1,1125 1765.1,3400 1765.03,3400.68 1765.4,3409.15 1766.6,3418.23 1768.58,3427.18 1771.33,3435.91 1774.84,3444.38 1779.07,3452.5 1783.99,3460.23 1789.57,3467.49 1795.75,3474.25 1802.51,3480.43 1809.77,3486.01 1817.5,3490.93 1825.62,3495.16 1834.09,3498.67 1842.82,3501.42 1851.77,3503.4 1860.85,3504.6 1869.32,3504.97
VCC_3V3 on Power Plane (split plane): 5319.9,2942.29 5221.4,2843.78 5221.04,2843.25 4971.4,2593.6 4970.29,2591.95 4969.9,2590 4969.9,2170 4970.29,2168.05 4971.4,2166.4 5001.4,2136.4 5003.05,2135.29 5005,2134.9 5177.71,2134.9 5224.72,2087.89 5224.72,1020.1 1870,1020.1 1869.32,1020.03 1860.85,1020.4 1851.77,1021.6 1842.82,1023.58 1834.09,1026.33 1825.63,1029.84 1817.5,1034.07 1809.77,1038.99 1802.51,1044.57 1795.75,1050.75 1789.57,1057.51 1783.99,1064.77 1779.07,1072.5 1774.84,1080.63 1771.33,1089.09 1768.58,1097.82 1766.6,1106.77 1765.4,1115.85 1765.03,1124.32 1765.1,1125 1765.1,2269.9 2255,2269.9 2256.95,2270.29 2258.6,2271.4 2348.6,2361.4 2373.6,2386.4 2374.71,2388.05 2375.1,2390 2375.1,3504.9 5319.9,3504.9